# Altium PCB Panelizado.PcbDoc (part 1 of 4)
Units mm, origin at the board's own origin, x right, y up, seen from the top; angles counter-clockwise.
Board outline 420 x 503 mm, 2 copper layers (Top Layer, Bottom Layer); 456 components, 297 nets, 1240 pads, 557 vias.
Unrouted connection lines stored in the file: 247.
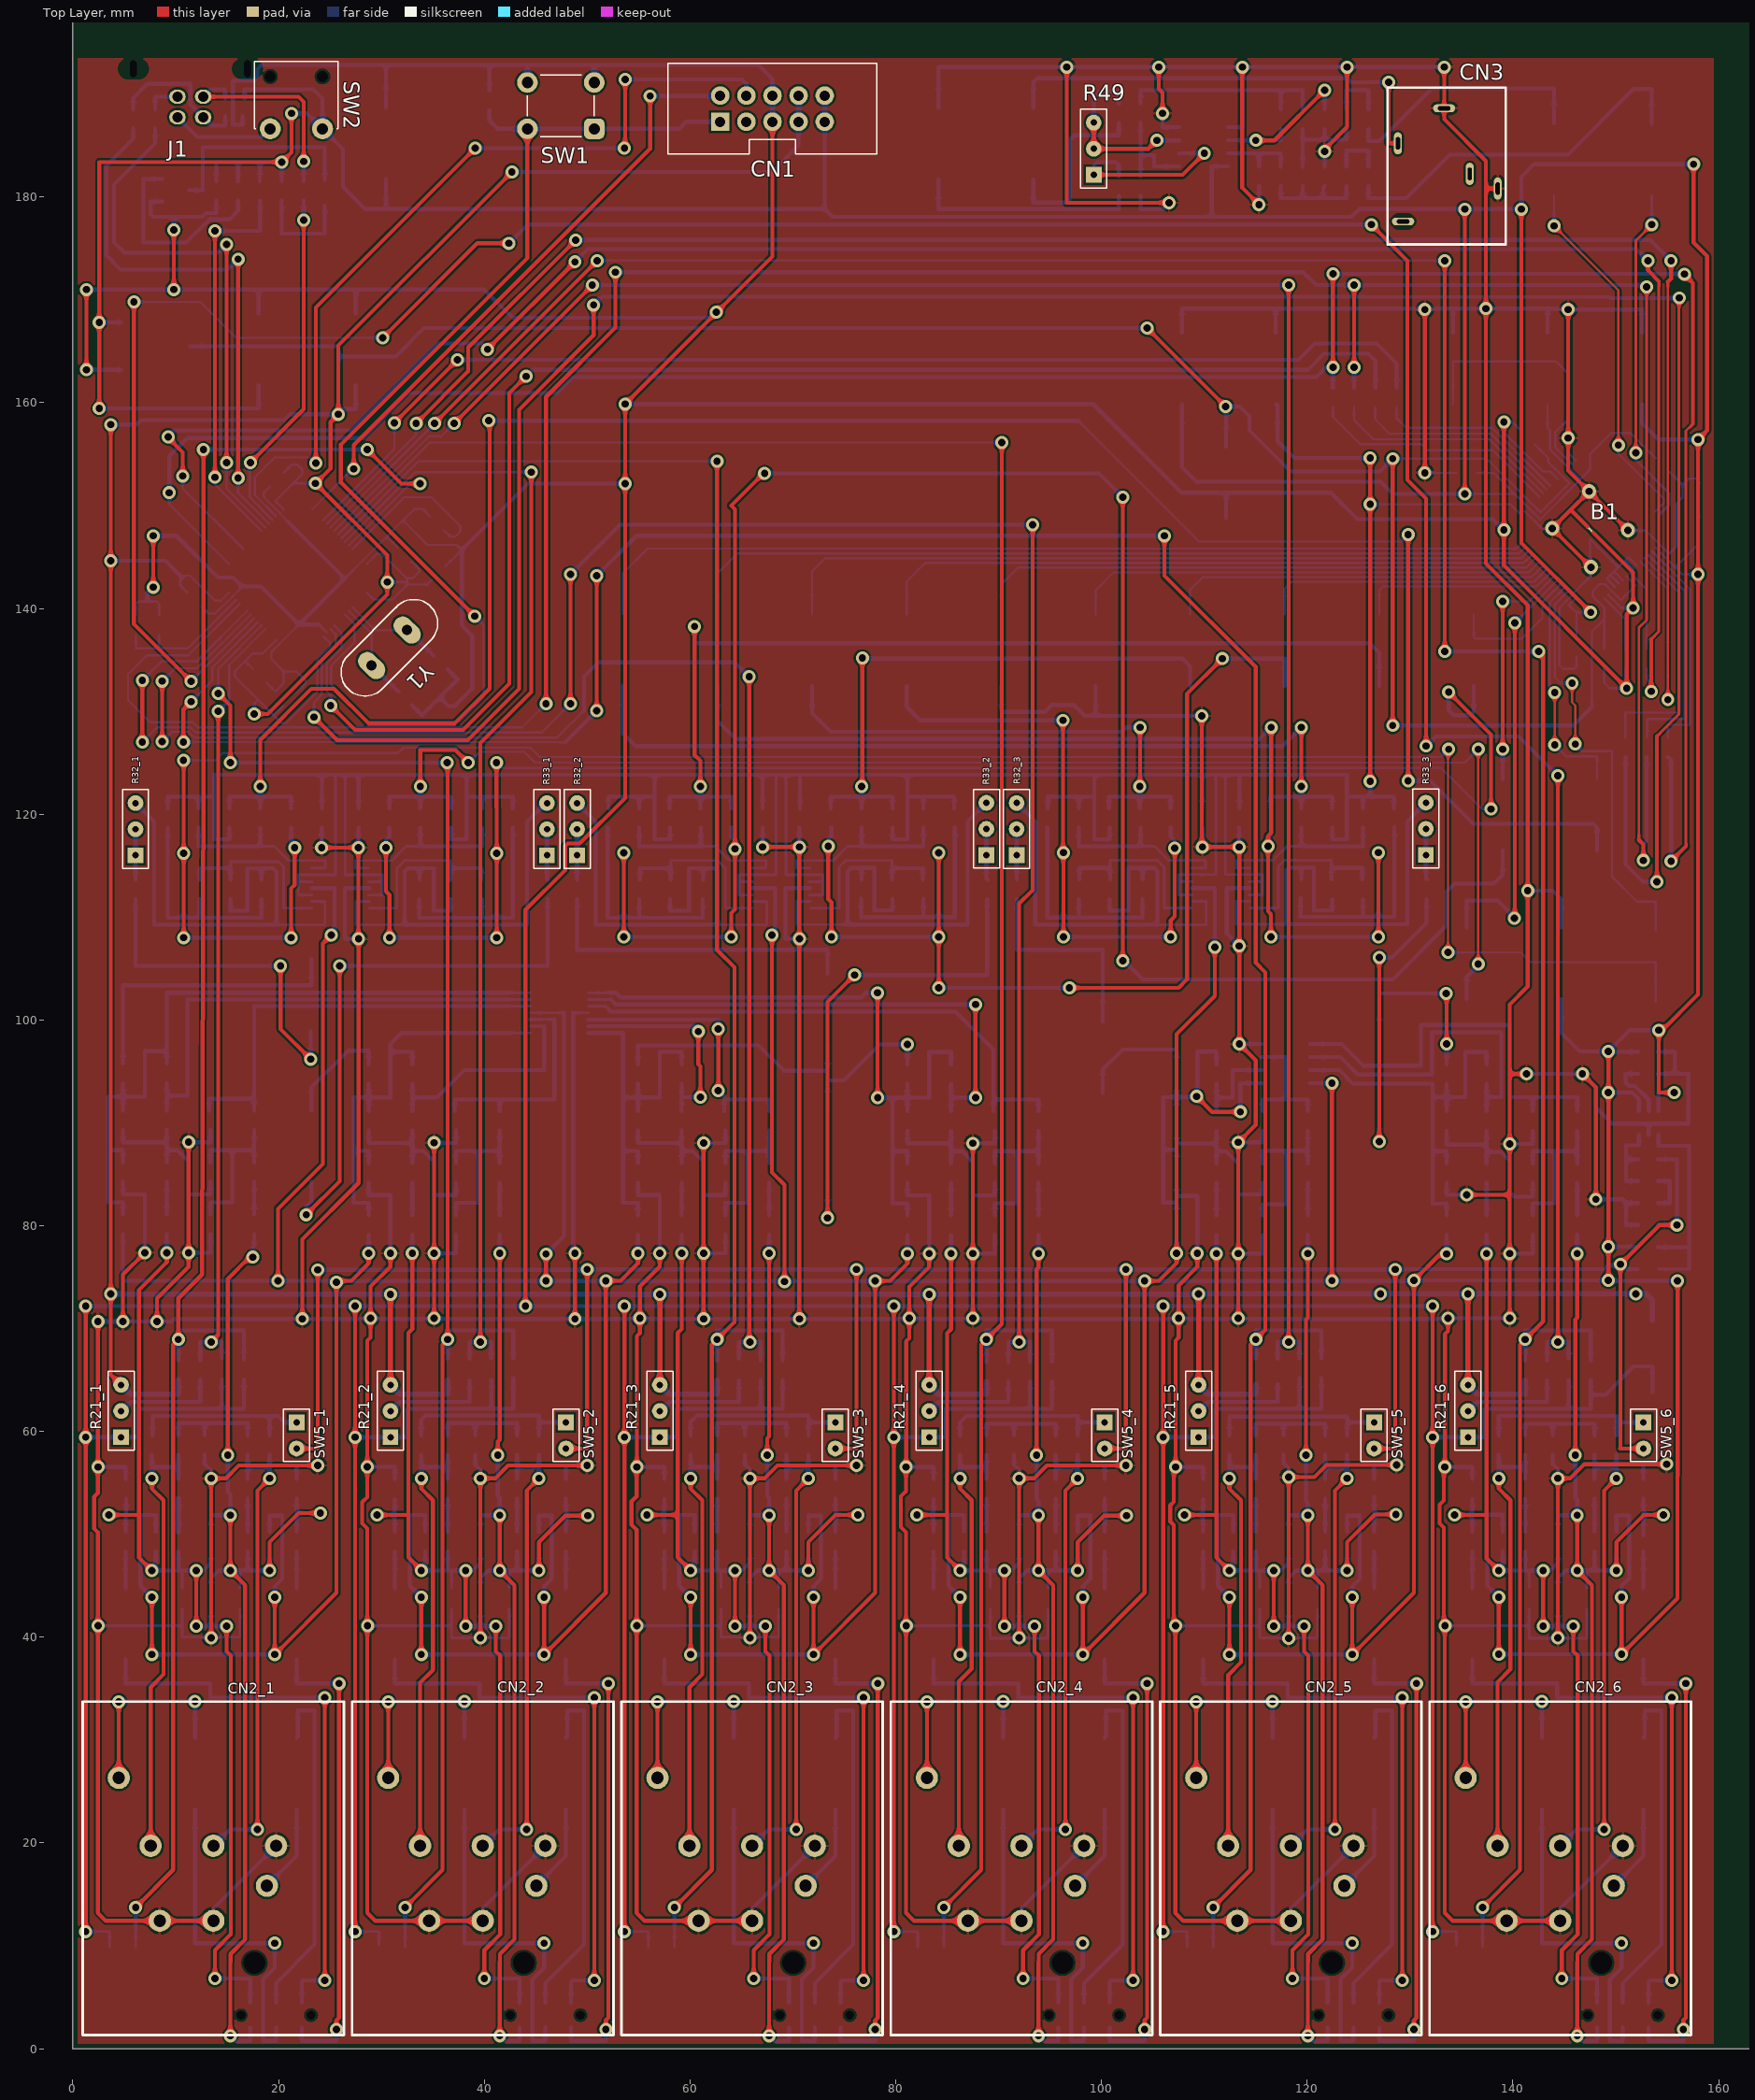
[diagram p0: Top Layer view]
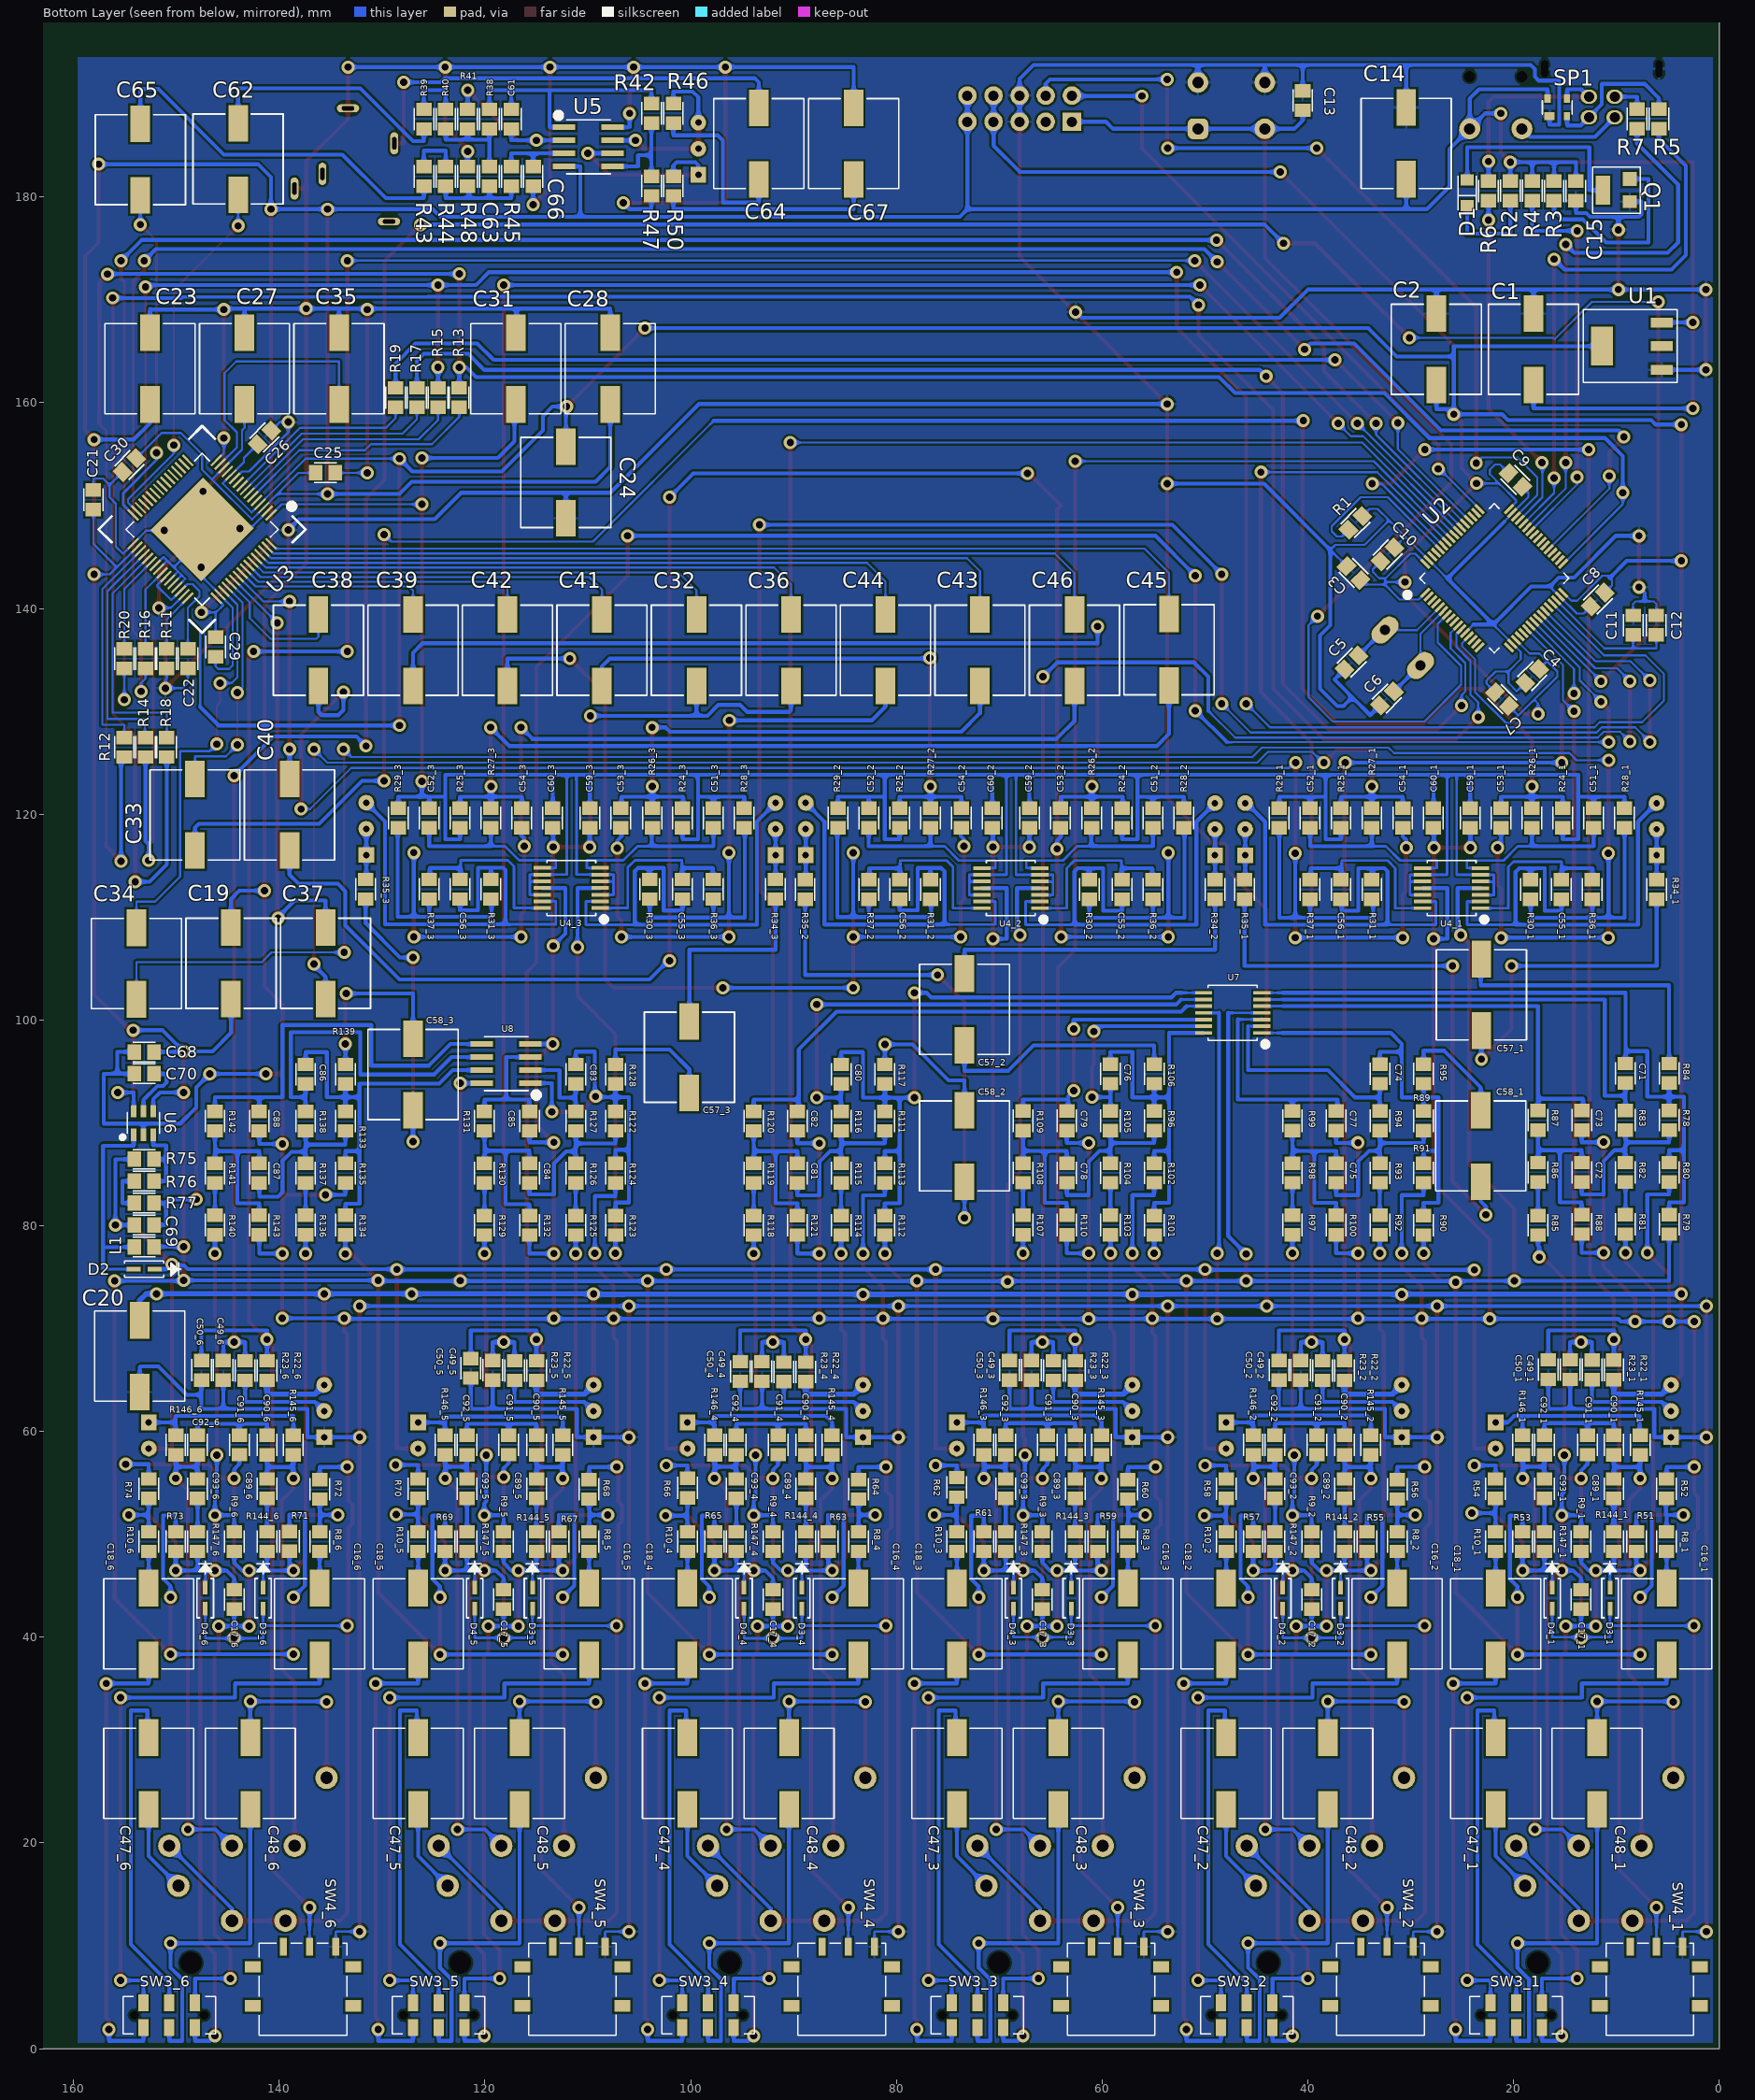
[diagram p1: Bottom Layer view, seen from below]
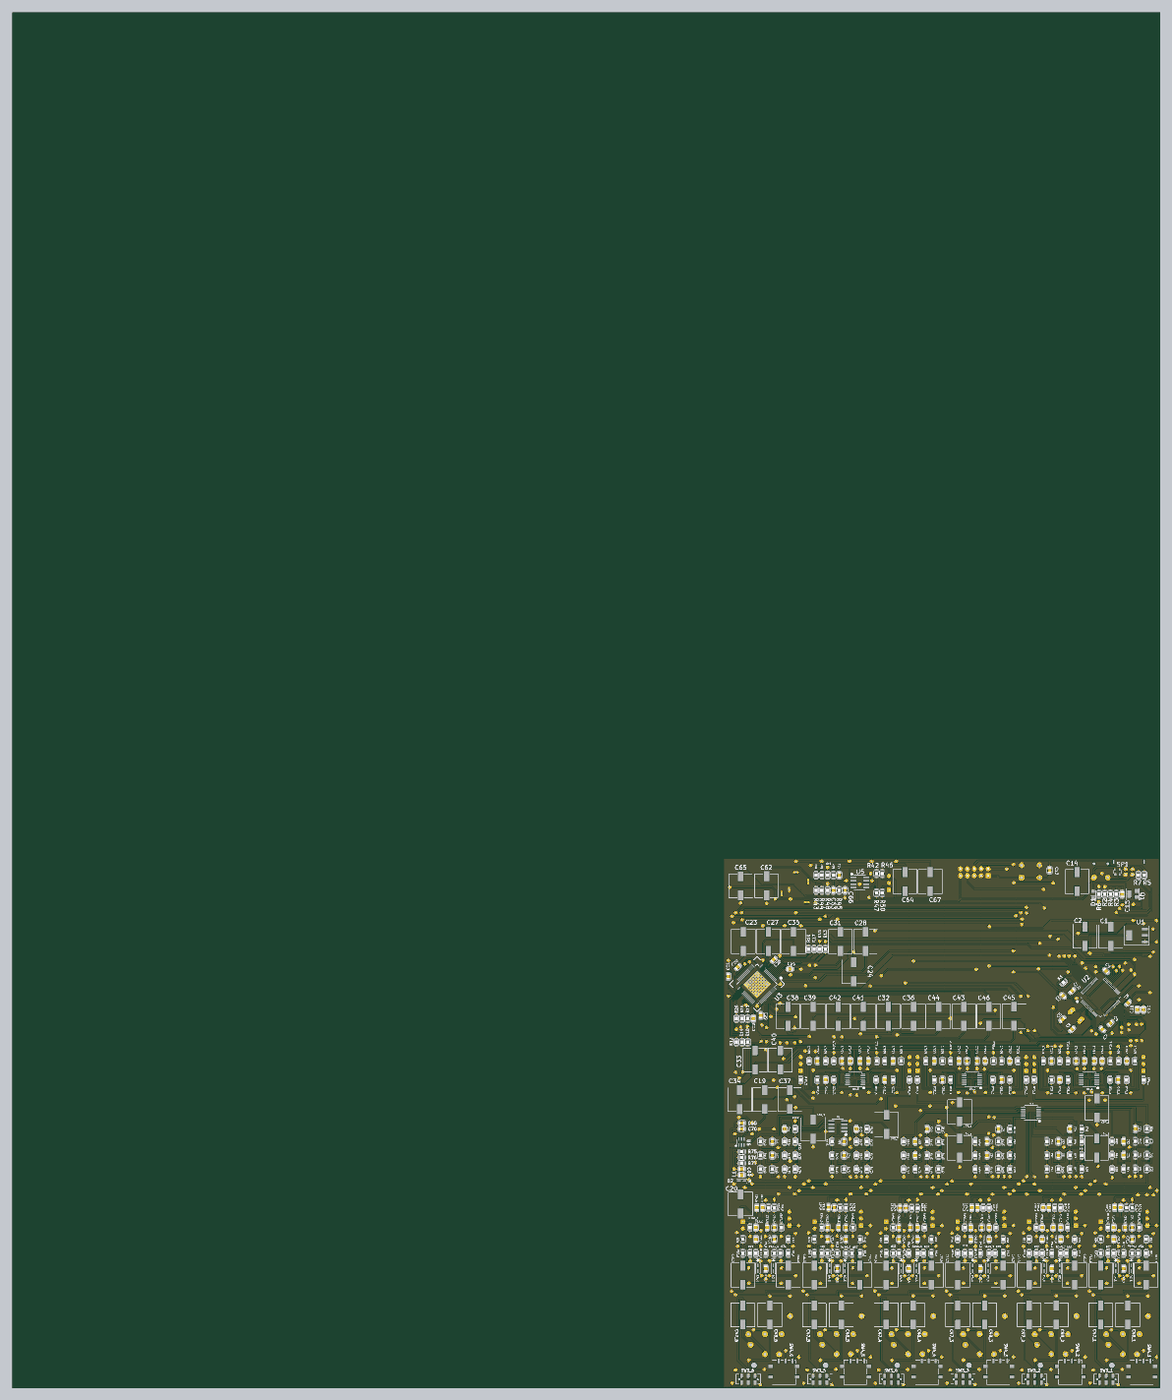
[diagram p5: 3D render of the assembled board from below, using the file's embedded part models]

## Layer stack, top to bottom
Top Solder: solder mask 0.0102, Solder Resist, Dk 3.5
Top Layer: signal copper 0.0356
Dielectric 1: dielectric 0.32, FR-4, Dk 4.8
Bottom Layer: signal copper 0.0356
Bottom Solder: solder mask 0.0102, Solder Resist, Dk 3.5

## Board outline
0,0 0,503 420,503 420,0

## Design rules (kind name [scope] priority, off if disabled: settings)
Clearance [All] p1: gap=0.203 ignorepadtopadclearanceinfootprint=TRUE
PolygonConnect [All] p1: connectstyle=Relief reliefconductorwidth=0.254 reliefentries=4 polygonreliefangle="90 Angle" airgapwidth=0.254
RoomDefinition U_phantom_power_enabler_3 [InComponentClass('U_phantom_power_enabler_3')] p1: confinementstyle=ConfineIn formatcopy=TRUE lockcomponents=FALSE outline 58.813,41.563 79.125,41.563 79.125,68.312 58.813,68.312
RoomDefinition U_phantom_power_enabler_2 [InComponentClass('U_phantom_power_enabler_2')] p2: confinementstyle=ConfineIn formatcopy=TRUE lockcomponents=FALSE outline 32.625,41.563 52.937,41.563 52.937,68.312 32.625,68.312
RoomDefinition U_input_output_2 [InComponentClass('U_input_output_2')] p3: confinementstyle=ConfineIn formatcopy=TRUE lockcomponents=FALSE outline 26.938,0.5 52.937,0.5 52.937,68 26.938,68
RoomDefinition U_phantom_power_enabler_6 [InComponentClass('U_phantom_power_enabler_6')] p4: confinementstyle=ConfineIn formatcopy=TRUE lockcomponents=FALSE outline 137.375,41.563 157.688,41.563 157.688,68.312 137.375,68.312
RoomDefinition U_phantom_power_enabler_5 [InComponentClass('U_phantom_power_enabler_5')] p5: confinementstyle=ConfineIn formatcopy=TRUE lockcomponents=FALSE outline 111.188,41.563 131.5,41.563 131.5,68.312 111.188,68.312
RoomDefinition U_phantom_power_enabler_4 [InComponentClass('U_phantom_power_enabler_4')] p6: confinementstyle=ConfineIn formatcopy=TRUE lockcomponents=FALSE outline 85,41.563 105.312,41.563 105.312,68.312 85,68.312
RoomDefinition U_input_output_6 [InComponentClass('U_input_output_6')] p7: confinementstyle=ConfineIn formatcopy=TRUE lockcomponents=FALSE outline 131.687,0.5 157.687,0.5 157.687,68 131.687,68
RoomDefinition U_input_output_5 [InComponentClass('U_input_output_5')] p8: confinementstyle=ConfineIn formatcopy=TRUE lockcomponents=FALSE outline 105.5,0.5 131.5,0.5 131.5,68 105.5,68
RoomDefinition U_input_output_4 [InComponentClass('U_input_output_4')] p9: confinementstyle=ConfineIn formatcopy=TRUE lockcomponents=FALSE outline 79.313,0.5 105.312,0.5 105.312,68 79.313,68
RoomDefinition U_input_output_3 [InComponentClass('U_input_output_3')] p10: confinementstyle=ConfineIn formatcopy=TRUE lockcomponents=FALSE outline 53.125,0.5 79.125,0.5 79.125,68 53.125,68
RoomDefinition U_att_17db_6 [InComponentClass('U_att_17db_6')] p11: confinementstyle=ConfineIn formatcopy=TRUE lockcomponents=FALSE outline 131.563,35.75 157.438,35.75 157.438,51.375 131.563,51.375
RoomDefinition U_att_17db_5 [InComponentClass('U_att_17db_5')] p12: confinementstyle=ConfineIn formatcopy=TRUE lockcomponents=FALSE outline 105.375,35.75 131.25,35.75 131.25,51.375 105.375,51.375
RoomDefinition U_att_17db_4 [InComponentClass('U_att_17db_4')] p13: confinementstyle=ConfineIn formatcopy=TRUE lockcomponents=FALSE outline 79.187,35.75 105.063,35.75 105.063,51.375 79.187,51.375
RoomDefinition U_att_17db_3 [InComponentClass('U_att_17db_3')] p14: confinementstyle=ConfineIn formatcopy=TRUE lockcomponents=FALSE outline 53,35.75 78.875,35.75 78.875,51.375 53,51.375
RoomDefinition U_att_17db_2 [InComponentClass('U_att_17db_2')] p15: confinementstyle=ConfineIn formatcopy=TRUE lockcomponents=FALSE outline 26.812,35.75 52.687,35.75 52.687,51.375 26.812,51.375
RoomDefinition U_input [InComponentClass('U_input')] p16: confinementstyle=ConfineIn formatcopy=TRUE lockcomponents=FALSE outline 3.75,36.625 158.875,36.625 158.875,56.813 3.75,56.813
RoomDefinition U_usb_2_0 [InComponentClass('U_usb_2_0')] p17: confinementstyle=ConfineIn formatcopy=TRUE lockcomponents=FALSE outline 0.5,173.27 35,173.27 35,193.333 0.5,193.333
RoomDefinition U_phantom_power_enabler_1 [InComponentClass('U_phantom_power_enabler_1')] p18: confinementstyle=ConfineIn formatcopy=TRUE lockcomponents=FALSE outline 6.438,41.563 26.75,41.563 26.75,68.312 6.438,68.312
RoomDefinition U_phantom_power [InComponentClass('U_phantom_power')] p19: confinementstyle=ConfineIn formatcopy=TRUE lockcomponents=FALSE outline 148.284,99.515 148.284,74.75 158.407,74.75 158.407,99.515
RoomDefinition U_output_jack [InComponentClass('U_output_jack')] p20: confinementstyle=ConfineIn formatcopy=TRUE lockcomponents=FALSE outline 79.687,175.187 158.062,175.187 158.062,193.312 79.687,193.312
RoomDefinition U_input_output_1 [InComponentClass('U_input_output_1')] p21: confinementstyle=ConfineIn formatcopy=TRUE lockcomponents=FALSE outline 0.75,0.5 26.75,0.5 26.75,68 0.75,68
RoomDefinition U_fuente [InComponentClass('U_fuente')] p22: confinementstyle=ConfineIn formatcopy=TRUE lockcomponents=FALSE outline 0.563,157.5 32.062,157.5 32.062,171.375 0.563,171.375
RoomDefinition U_bal2un_2 [InComponentClass('U_bal2un_2')] p23: confinementstyle=ConfineIn formatcopy=TRUE lockcomponents=FALSE outline 105.625,74.787 148.125,74.787 148.125,98.687 105.625,98.687
RoomDefinition U_bal2un_1 [InComponentClass('U_bal2un_1')] p24: confinementstyle=ConfineIn formatcopy=TRUE lockcomponents=FALSE outline 3.812,76.035 95.062,76.035 95.062,103.875 3.812,103.875
RoomDefinition U_att_17db_1 [InComponentClass('U_att_17db_1')] p25: confinementstyle=ConfineIn formatcopy=TRUE lockcomponents=FALSE outline 0.625,35.75 26.5,35.75 26.5,51.375 0.625,51.375
RoutingVias [All] p1: holewidth=0.711 width=1.27 viastyle="Through Hole" minholewidth=0.711 minwidth=1.27 maxholewidth=0.711 maxwidth=1.27
SilkToSolderMaskClearance [IsPad] p1: minsilkscreentomaskgap=0.102 clearancetoexposedcopper=TRUE
SolderMaskExpansion [All] p1: expansion=0.102
UnRoutedNet [All] p1: checkbadconnections=TRUE
Width [All] p1: maxlimit=2.54 minlimit=0.127 preferedwidth=0.254
28 further rules are at their usual default settings.

## Classes and differential pairs
channel class preamp: U_preamp_1 U_preamp_2 U_preamp_3
channel class phantom_power_enabler: U_phantom_power_enabler_1 U_phantom_power_enabler_2 U_phantom_power_enabler_3 U_phantom_power_enabler_4 U_phantom_power_enabler_5 U_phantom_power_enabler_6
channel class input_output: U_input_output_1 U_input_output_2 U_input_output_3 U_input_output_4 U_input_output_5 U_input_output_6
channel class att_17db: U_att_17db_1 U_att_17db_2 U_att_17db_3 U_att_17db_4 U_att_17db_5 U_att_17db_6
component class U_usb_2_0: C14 C15 D1 Q1 R2 R3 R4 R5 R6 R7 SP1 SW2
component class U_stm32: C3 C4 C5 C6 C7 C8 C9 C10 C11 C12 C13 CN1 R1 SW1 U2 Y1
component class U_preamp_3: C51_3 C52_3 C53_3 C54_3 C55_3 C56_3 C57_3 C58_3 C59_3 C60_3 R24_3 R25_3 R26_3 R27_3 R28_3 R29_3 R30_3 R31_3 R32_3 R33_3 R34_3 R35_3 R36_3 R37_3 U4_3
component class U_preamp_2: C51_2 C52_2 C53_2 C54_2 C55_2 C56_2 C57_2 C58_2 C59_2 C60_2 R24_2 R25_2 R26_2 R27_2 R28_2 R29_2 R30_2 R31_2 R32_2 R33_2 R34_2 R35_2 R36_2 R37_2 U4_2
component class U_preamp_1: C51_1 C52_1 C53_1 C54_1 C55_1 C56_1 C57_1 C58_1 C59_1 C60_1 R24_1 R25_1 R26_1 R27_1 R28_1 R29_1 R30_1 R31_1 R32_1 R33_1 R34_1 R35_1 R36_1 R37_1 U4_1
component class U_phantom_power: C68 C69 C70 D2 L1 R75 R76 R77 U6
component class U_phantom_power_enabler_6: C89_6 C90_6 C91_6 C92_6 C93_6 D3_6 D4_6 R144_6 R145_6 R146_6 R147_6 SW5_6
component class U_phantom_power_enabler_5: C89_5 C90_5 C91_5 C92_5 C93_5 D3_5 D4_5 R144_5 R145_5 R146_5 R147_5 SW5_5
component class U_phantom_power_enabler_4: C89_4 C90_4 C91_4 C92_4 C93_4 D3_4 D4_4 R144_4 R145_4 R146_4 R147_4 SW5_4
component class U_phantom_power_enabler_3: C89_3 C90_3 C91_3 C92_3 C93_3 D3_3 D4_3 R144_3 R145_3 R146_3 R147_3 SW5_3
component class U_phantom_power_enabler_2: C89_2 C90_2 C91_2 C92_2 C93_2 D3_2 D4_2 R144_2 R145_2 R146_2 R147_2 SW5_2
component class U_phantom_power_enabler_1: C89_1 C90_1 C91_1 C92_1 C93_1 D3_1 D4_1 R144_1 R145_1 R146_1 R147_1 SW5_1
component class U_output_jack: C61 C62 C63 C64 C65 C66 C67 CN3 R38 R39 R40 R41 R42 R43 R44 R45 R46 R47 R48 R49 R50 U5
component class U_input: R51 R52 R53 R54 R55 R56 R57 R58 R59 R60 R61 R62 R63 R64 R65 R66 R67 R68 R69 R70 R71 R72 R73 R74
component class U_input_output_6: C47_6 C48_6 C49_6 C50_6 CN2_6 R21_6 R22_6 R23_6 SW3_6 SW4_6
component class U_input_output_5: C47_5 C48_5 C49_5 C50_5 CN2_5 R21_5 R22_5 R23_5 SW3_5 SW4_5
component class U_input_output_4: C47_4 C48_4 C49_4 C50_4 CN2_4 R21_4 R22_4 R23_4 SW3_4 SW4_4
component class U_input_output_3: C47_3 C48_3 C49_3 C50_3 CN2_3 R21_3 R22_3 R23_3 SW3_3 SW4_3
component class U_input_output_2: C47_2 C48_2 C49_2 C50_2 CN2_2 R21_2 R22_2 R23_2 SW3_2 SW4_2
component class U_input_output_1: C47_1 C48_1 C49_1 C50_1 CN2_1 R21_1 R22_1 R23_1 SW3_1 SW4_1
component class U_fuente: C1 C2 U1
component class U_codec: B1 C19 C20 C21 C22 C23 C24 C25 C26 C27 C28 C29 C30 C31 C32 C33 C34 C35 C36 C37 C38 C39 C40 C41 C42 C43 C44 C45 C46 R11 R12 R13 R14 R15 R16 R17 R18 R19 R20 U3
component class U_bal2un_2: C83 C84 C85 C86 C87 C88 R122 R123 R124 R125 R126 R127 R128 R129 R130 R131 R132 R133 R134 R135 R136 R137 R138 R139 R140 R141 R142 R143 U8
component class U_bal2un_1: C71 C72 C73 C74 C75 C76 C77 C78 C79 C80 C81 C82 R78 R79 R80 R81 R82 R83 R84 R85 R86 R87 R88 R89 R90 R91 R92 R93 R94 R95 R96 R97 R98 R99 R100 R101 R102 R103 R104 R105 R106 R107 R108 R109 R110 R111 R112 R113 R114 R115 R116 R117 R118 R119 R120 R121 U7
component class U_att_17db_6: C16_6 C17_6 C18_6 R8_6 R9_6 R10_6
component class U_att_17db_5: C16_5 C17_5 C18_5 R8_5 R9_5 R10_5
component class U_att_17db_4: C16_4 C17_4 C18_4 R8_4 R9_4 R10_4
component class U_att_17db_3: C16_3 C17_3 C18_3 R8_3 R9_3 R10_3
component class U_att_17db_2: C16_2 C17_2 C18_2 R8_2 R9_2 R10_2
component class U_att_17db_1: C16_1 C17_1 C18_1 R8_1 R9_1 R10_1

## Components (designator, comment, footprint, x,y, rotation, side; value= is the part's Value field where it differs from the comment)
B1 "GND_BIND" TRACK_8MIL 147.526,147.662 r315 top
C1 "Capacitor polarizado" CAP_ELECTROLYTIC 18.062,165.188 r90 bottom
C2 "Capacitor polarizado" CAP_ELECTROLYTIC 27.5,165.188 r90 bottom
C3 "Capacitor" C0805 35.562,143.438 r45 bottom
C4 "Capacitor" C0805 18.187,133.438 r315 bottom
C5 "Capacitor" C0805 35.75,134.75 r135 bottom
C6 "Capacitor" C0805 32.313,131.25 r135 bottom
C7 "Capacitor" C0805 21.125,131.187 r45 bottom
C8 "Capacitor" C0805 11.813,140.875 r315 bottom
C9 "Capacitor" C0805 19.813,152.5 r225 bottom
C10 "Capacitor" C0805 32.25,145.25 r135 bottom
C11 "Capacitor" C0805 8.375,138.375 r90 bottom
C12 "Capacitor" C0805 6.125,138.375 r90 bottom
C13 "Capacitor" C0805 40.5,189.375 r90 bottom
C14 "Capacitor polarizado" CAP_ELECTROLYTIC 30.438,185.208 r90 bottom
C15 "Capacitor" C0805 13.938,180.583 r270 bottom
C16_1 "Capacitor polarizado" CAP_ELECTROLYTIC 5.125,41.292 r270 bottom (schematic designator C16)
C16_2 "Capacitor polarizado" CAP_Electrolytic 31.313,41.292 r270 bottom (schematic designator C16)
C16_3 "Capacitor polarizado" CAP_Electrolytic 57.5,41.292 r270 bottom (schematic designator C16)
C16_4 "Capacitor polarizado" CAP_Electrolytic 83.688,41.292 r270 bottom (schematic designator C16)
C16_5 "Capacitor polarizado" CAP_Electrolytic 109.875,41.292 r270 bottom (schematic designator C16)
C16_6 "Capacitor polarizado" CAP_Electrolytic 136.063,41.292 r270 bottom (schematic designator C16)
C17_1 "Capacitor" C0805 13.437,43.667 r90 bottom (schematic designator C17)
C17_2 "Capacitor" C0805 39.625,43.667 r90 bottom (schematic designator C17)
C17_3 "Capacitor" C0805 65.812,43.667 r90 bottom (schematic designator C17)
C17_4 "Capacitor" C0805 92,43.667 r90 bottom (schematic designator C17)
C17_5 "Capacitor" C0805 118.187,43.667 r90 bottom (schematic designator C17)
C17_6 "Capacitor" C0805 144.375,43.667 r90 bottom (schematic designator C17)
C18_1 "Capacitor polarizado" CAP_ELECTROLYTIC 21.75,41.292 r270 bottom (schematic designator C18)
C18_2 "Capacitor polarizado" CAP_Electrolytic 47.937,41.292 r270 bottom (schematic designator C18)
C18_3 "Capacitor polarizado" CAP_Electrolytic 74.125,41.292 r270 bottom (schematic designator C18)
C18_4 "Capacitor polarizado" CAP_Electrolytic 100.312,41.292 r270 bottom (schematic designator C18)
C18_5 "Capacitor polarizado" CAP_Electrolytic 126.5,41.292 r270 bottom (schematic designator C18)
C18_6 "Capacitor polarizado" CAP_Electrolytic 152.688,41.292 r270 bottom (schematic designator C18)
C19 "Capacitor polarizado" CAP_ELECTROLYTIC 144.688,105.5 r90 bottom
C20 "Capacitor polarizado" CAP_ELECTROLYTIC 153.562,67.312 r270 bottom
C21 "Capacitor" C0805 158.063,150.563 r90 bottom
C22 "Capacitor" C0805 148.875,135.125 r270 bottom
C23 "Capacitor polarizado" CAP_ELECTROLYTIC 152.562,163.313 r90 bottom
C24 "Capacitor polarizado" CAP_ELECTROLYTIC 112.125,152.25 r270 bottom
C25 "Capacitor" C0805 135.5,153.187 r180 bottom
C26 "Capacitor" C0805 141.437,156.625 r135 bottom
C27 "Capacitor polarizado" CAP_ELECTROLYTIC 143.375,163.313 r90 bottom
C28 "Capacitor polarizado" CAP_ELECTROLYTIC 107.812,163.313 r90 bottom
C29 "Capacitor" C0805 146.188,136.25 r270 bottom
C30 "Capacitor" C0805 154.563,153.938 r315 bottom
C31 "Capacitor polarizado" CAP_ELECTROLYTIC 117,163.312 r90 bottom
C32 "Capacitor polarizado" CAP_ELECTROLYTIC 99.438,135.938 r270 bottom
C33 "Capacitor polarizado" CAP_ELECTROLYTIC 148.187,119.938 r90 bottom
C34 "Capacitor polarizado" CAP_ELECTROLYTIC 153.875,105.48 r90 bottom
C35 "Capacitor polarizado" CAP_ELECTROLYTIC 134.187,163.313 r90 bottom